# KiCad board panel_r0.1.kicad_pcb (continued)
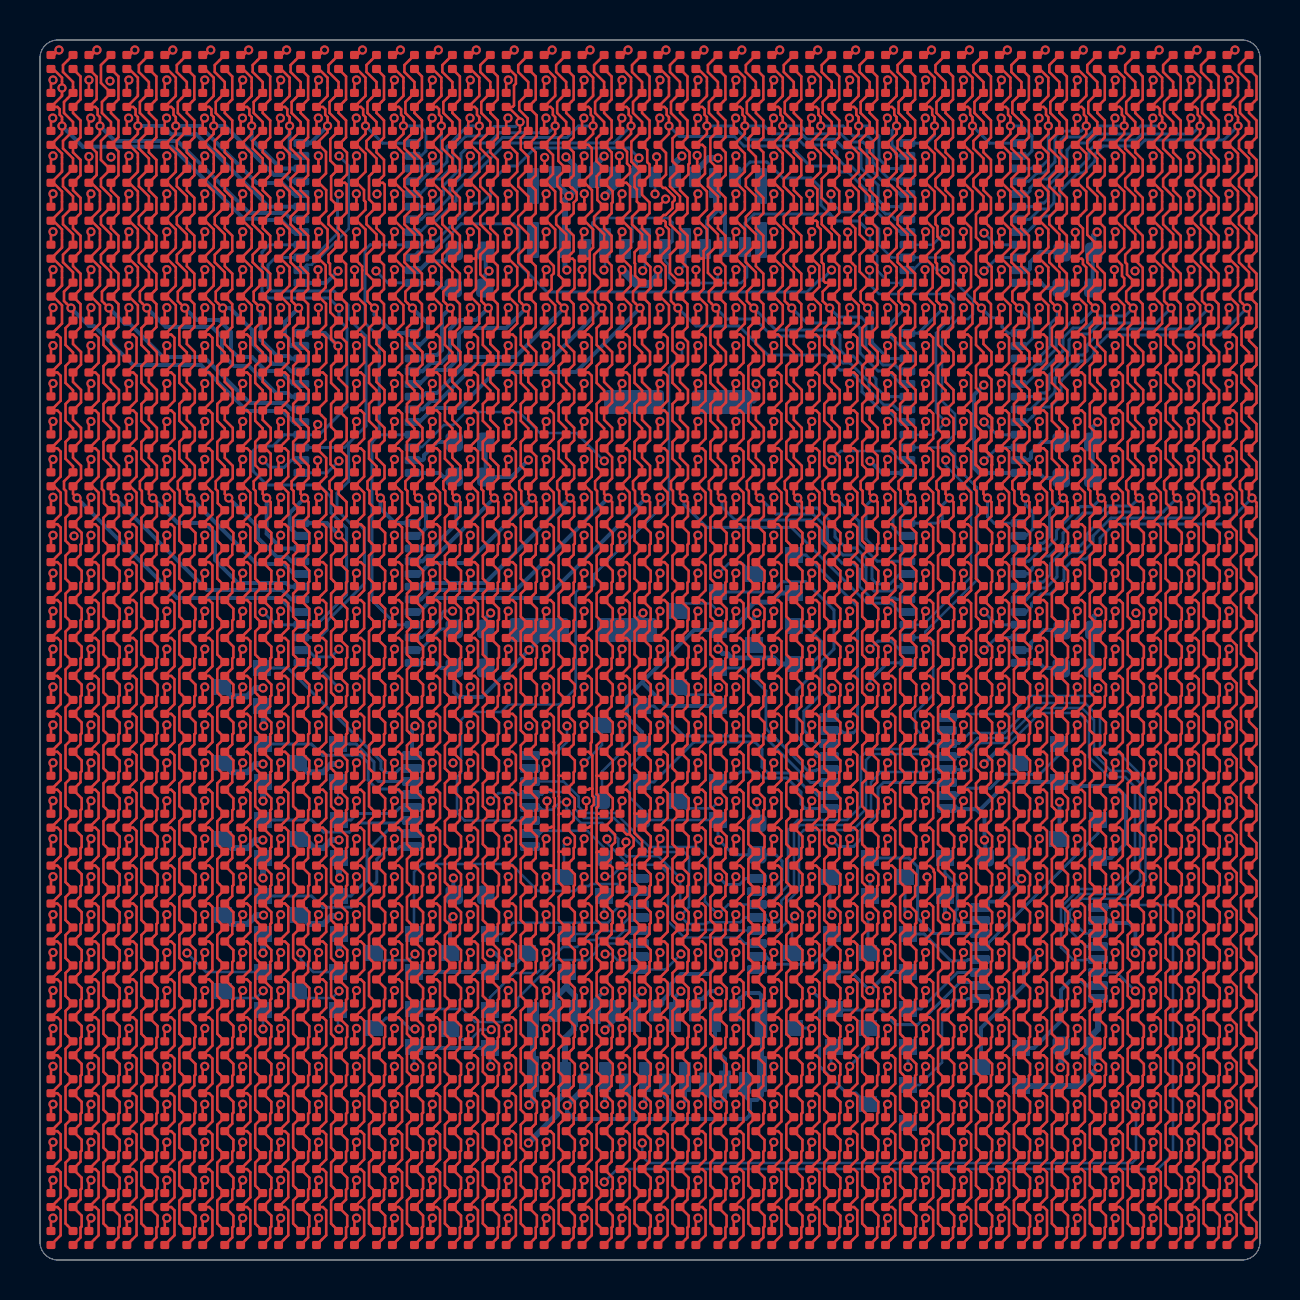
[diagram p0: board, top side]
## Routing (per net, layer and track width the routed paths; a pad name or vN(x,y) marks a point on that pad's centre or on a via; arc(x,y) is an arc through that point) (continued)
  In2.Cu w0.2: v1(48.07,30.55) 47.49,29.97 47.49,25.09 v1(47.2,24.8)
  Bottom w0.2: Q17.3 48.9,24.85 48.3,25.45 47.85,25.45 v1(47.2,24.8)
/ledArray/sheet5D7853C9/COM: length 30.8
  Top w0.127: v1(0.65,28.65) 0.55,28.55 D545.1 ; v1(2.55,28.65) 2.45,28.55 D546.1 ; v1(4.44,28.65) 4.34,28.55 D547.1 ; v1(6.34,28.65) 6.24,28.55 D548.1 ; v1(8.24,28.65) 8.14,28.55 D549.1 ; v1(10.13,28.65) 10.03,28.55 D550.1 ; v1(12.03,28.65) 11.93,28.55 D551.1 ; v1(13.93,28.65) 13.83,28.55 D552.1 ; v1(15.82,28.65) 15.72,28.55 D553.1 ; v1(17.72,28.65) 17.62,28.55 D554.1 ; v1(19.62,28.65) 19.52,28.55 D555.1 ; v1(21.51,28.65) 21.41,28.55 D556.1 ; v1(23.41,28.65) 23.31,28.55 D557.1 ; v1(25.31,28.65) 25.21,28.55 D558.1 ; v1(27.2,28.65) 27.1,28.55 D559.1 ; v1(29.1,28.65) 29,28.55 D560.1 ; v1(31,28.65) 30.9,28.55 D561.1 ; v1(32.9,28.65) 32.79,28.55 D562.1 ; v1(34.79,28.65) 34.69,28.55 D563.1 ; v1(36.69,28.65) 36.59,28.55 D564.1 ; v1(38.59,28.65) 38.48,28.55 D565.1 ; v1(40.48,28.65) 40.38,28.55 D566.1 ; v1(42.38,28.65) 42.28,28.55 D567.1 ; v1(44.28,28.65) 44.17,28.55 D568.1 ; v1(46.17,28.65) 46.07,28.55 D569.1 ; v1(48.07,28.65) 47.97,28.55 D570.1 ; v1(49.97,28.65) 49.86,28.55 D571.1 ; v1(51.86,28.65) 51.76,28.55 D572.1 ; v1(53.76,28.65) 53.66,28.55 D573.1 ; v1(55.66,28.65) 55.56,28.55 D574.1 ; v1(57.55,28.65) 57.45,28.55 D575.1 ; v1(59.45,28.65) 59.35,28.55 D576.1
  In2.Cu w0.2: v1(34.79,28.65) 35.21,28.23 35.21,24.22 v1(33.93,22.94)
  Bottom w0.127: v1(33.93,22.94) 33.57,22.58 32.27,22.58 Q18.3
/ledArray/sheet5D7853CA/COM: length 26.3
  Top w0.127: v1(0.65,26.75) 0.55,26.65 D577.1 ; v1(2.55,26.75) 2.45,26.65 D578.1 ; v1(4.44,26.75) 4.34,26.65 D579.1 ; v1(6.34,26.75) 6.24,26.65 D580.1 ; v1(8.24,26.75) 8.14,26.65 D581.1 ; v1(10.13,26.75) 10.03,26.65 D582.1 ; v1(12.03,26.75) 11.93,26.65 D583.1 ; v1(13.93,26.75) 13.83,26.65 D584.1 ; v1(15.82,26.75) 15.72,26.65 D585.1 ; v1(17.72,26.75) 17.62,26.65 D586.1 ; v1(19.62,26.75) 19.52,26.65 D587.1 ; v1(21.51,26.75) 21.41,26.65 D588.1 ; v1(23.41,26.75) 23.31,26.65 D589.1 ; v1(25.31,26.75) 25.21,26.65 D590.1 ; v1(27.2,26.75) 27.1,26.65 D591.1 ; v1(29.1,26.75) 29,26.65 D592.1 ; v1(31,26.75) 30.9,26.65 D593.1 ; v1(32.9,26.75) 32.79,26.65 D594.1 ; v1(34.79,26.75) 34.69,26.65 D595.1 ; v1(36.69,26.75) 36.59,26.65 D596.1 ; v1(38.59,26.75) 38.48,26.65 D597.1 ; v1(40.48,26.75) 40.38,26.65 D598.1 ; v1(42.38,26.75) 42.28,26.65 D599.1 ; v1(44.28,26.75) 44.17,26.65 D600.1 ; v1(46.17,26.75) 46.07,26.65 D601.1 ; v1(48.07,26.75) 47.97,26.65 D602.1 ; v1(49.97,26.75) 49.86,26.65 D603.1 ; v1(51.86,26.75) 51.76,26.65 D604.1 ; v1(53.76,26.75) 53.66,26.65 D605.1 ; v1(55.66,26.75) 55.56,26.65 D606.1 ; v1(57.55,26.75) 57.45,26.65 D607.1 ; v1(59.45,26.75) 59.35,26.65 D608.1
  Bottom w0.127: Q19.3 28.1,24.42 29.1,25.42 v1(29.1,26.75)
/ledArray/sheet5D7853CB/COM: length 24.3
  Top w0.127: v1(0.65,24.86) 0.55,24.76 D609.1 ; v1(2.55,24.86) 2.45,24.76 D610.1 ; v1(4.44,24.86) 4.34,24.76 D611.1 ; v1(6.34,24.86) 6.24,24.76 D612.1 ; v1(8.24,24.86) 8.14,24.76 D613.1 ; v1(10.13,24.86) 10.03,24.76 D614.1 ; v1(12.03,24.86) 11.93,24.76 D615.1 ; v1(13.93,24.86) 13.83,24.76 D616.1 ; v1(15.82,24.86) 15.72,24.76 D617.1 ; v1(17.72,24.86) 17.62,24.76 D618.1 ; v1(19.62,24.86) 19.52,24.76 D619.1 ; v1(21.51,24.86) 21.41,24.76 D620.1 ; v1(23.41,24.86) 23.31,24.76 D621.1 ; v1(25.31,24.86) 25.21,24.76 D622.1 ; v1(27.2,24.86) 27.1,24.76 D623.1 ; v1(29.1,24.86) 29,24.76 D624.1 ; v1(31,24.86) 30.9,24.76 D625.1 ; v1(32.9,24.86) 32.79,24.76 D626.1 ; v1(34.79,24.86) 34.69,24.76 D627.1 ; v1(36.69,24.86) 36.59,24.76 D628.1 ; v1(38.59,24.86) 38.48,24.76 D629.1 ; v1(40.48,24.86) 40.38,24.76 D630.1 ; v1(42.38,24.86) 42.28,24.76 D631.1 ; v1(44.28,24.86) 44.17,24.76 D632.1 ; v1(46.17,24.86) 46.07,24.76 D633.1 ; v1(48.07,24.86) 47.97,24.76 D634.1 ; v1(49.97,24.86) 49.86,24.76 D635.1 ; v1(51.86,24.86) 51.76,24.76 D636.1 ; v1(53.76,24.86) 53.66,24.76 D637.1 ; v1(55.66,24.86) 55.56,24.76 D638.1 ; v1(57.55,24.86) 57.45,24.76 D639.1 ; v1(59.45,24.86) 59.35,24.76 D640.1
  Bottom w0.127: Q20.3 28.1,25.75 v1(27.2,24.86)
/ledArray/sheet5D7853CC/COM: length 30.6
  Top w0.127: v1(0.65,22.96) 0.55,22.86 D641.1 ; v1(2.55,22.96) 2.45,22.86 D642.1 ; v1(4.44,22.96) 4.34,22.86 D643.1 ; v1(6.34,22.96) 6.24,22.86 D644.1 ; v1(8.24,22.96) 8.14,22.86 D645.1 ; v1(10.13,22.96) 10.03,22.86 D646.1 ; v1(12.03,22.96) 11.93,22.86 D647.1 ; v1(13.93,22.96) 13.83,22.86 D648.1 ; v1(15.82,22.96) 15.72,22.86 D649.1 ; v1(17.72,22.96) 17.62,22.86 D650.1 ; v1(19.62,22.96) 19.52,22.86 D651.1 ; v1(21.51,22.96) 21.41,22.86 D652.1 ; v1(23.41,22.96) 23.31,22.86 D653.1 ; v1(29.1,22.96) 29,22.86 D656.1 ; v1(31,22.96) 30.9,22.86 D657.1 ; v1(32.9,22.96) 32.79,22.86 D658.1 ; v1(34.79,22.96) 34.69,22.86 D659.1 ; v1(36.69,22.96) 36.59,22.86 D660.1 ; v1(38.59,22.96) 38.48,22.86 D661.1 ; v1(40.48,22.96) 40.38,22.86 D662.1 ; v1(42.38,22.96) 42.28,22.86 D663.1 ; v1(44.28,22.96) 44.17,22.86 D664.1 ; v1(46.17,22.96) 46.07,22.86 D665.1 ; v1(48.07,22.96) 47.97,22.86 D666.1 ; v1(49.97,22.96) 49.86,22.86 D667.1 ; v1(51.86,22.96) 51.76,22.86 D668.1 ; v1(53.76,22.96) 53.66,22.86 D669.1 ; v1(55.66,22.96) 55.56,22.86 D670.1 ; v1(57.55,22.96) 57.45,22.86 D671.1 ; v1(59.45,22.96) 59.35,22.86 D672.1 ; D655.1 27.31,22.52 v1(27.31,22.96) ; v1(25.35,22.95) 25.35,22.46 D654.1
  In2.Cu w0.2: v1(32.9,22.96) 33.93,24 v1(33.93,28.63)
  Bottom w0.127: Q21.3 32.28,28.27 33.57,28.27 v1(33.93,28.63)
/ledArray/sheet5D7853CD/COM: length 35.8
  Top w0.127: v1(0.65,21.06) 0.55,20.96 D673.1 ; v1(2.55,21.06) 2.45,20.96 D674.1 ; v1(4.44,21.06) 4.34,20.96 D675.1 ; v1(6.34,21.06) 6.24,20.96 D676.1 ; v1(8.24,21.06) 8.14,20.96 D677.1 ; v1(10.13,21.06) 10.03,20.96 D678.1 ; v1(12.03,21.06) 11.93,20.96 D679.1 ; v1(13.93,21.06) 13.83,20.96 D680.1 ; v1(15.82,21.06) 15.72,20.96 D681.1 ; v1(17.72,21.06) 17.62,20.96 D682.1 ; v1(19.62,21.06) 19.52,20.96 D683.1 ; v1(21.51,21.06) 21.41,20.96 D684.1 ; v1(23.41,21.06) 23.31,20.96 D685.1 ; v1(25.31,21.06) 25.21,20.96 D686.1 ; v1(27.2,21.06) 27.1,20.96 D687.1 ; v1(31,21.06) 30.9,20.96 D689.1 ; v1(32.9,21.06) 32.79,20.96 D690.1 ; v1(34.79,21.06) 34.69,20.96 D691.1 ; v1(36.69,21.06) 36.59,20.96 D692.1 ; v1(38.59,21.06) 38.48,20.96 D693.1 ; v1(40.48,21.06) 40.38,20.96 D694.1 ; v1(42.38,21.06) 42.28,20.96 D695.1 ; v1(44.28,21.06) 44.17,20.96 D696.1 ; v1(46.17,21.06) 46.07,20.96 D697.1 ; v1(48.07,21.06) 47.97,20.96 D698.1 ; v1(49.97,21.06) 49.86,20.96 D699.1 ; v1(51.86,21.06) 51.76,20.96 D700.1 ; v1(53.76,21.06) 53.66,20.96 D701.1 ; v1(55.66,21.06) 55.56,20.96 D702.1 ; v1(57.55,21.06) 57.45,20.96 D703.1 ; v1(59.45,21.06) 59.35,20.96 D704.1 ; 29,20.57 D688.1 29.3,20.72 v1(29.3,20.9)
  In2.Cu w0.2: v1(35.84,32.35) 37.11,31.08 37.11,21.48 v1(36.69,21.06)
  Bottom w0.2: v1(35.84,32.35) 35.7,32.21 Q22.3
/ledArray/sheet5D7853CE/COM: length 38.9
  Top w0.127: v1(0.65,19.17) 0.55,19.07 D705.1 ; v1(2.55,19.17) 2.45,19.07 D706.1 ; v1(4.44,19.17) 4.34,19.07 D707.1 ; v1(6.34,19.17) 6.24,19.07 D708.1 ; v1(8.24,19.17) 8.14,19.07 D709.1 ; v1(10.13,19.17) 10.03,19.07 D710.1 ; v1(12.03,19.17) 11.93,19.07 D711.1 ; v1(13.93,19.17) 13.83,19.07 D712.1 ; v1(15.82,19.17) 15.72,19.07 D713.1 ; v1(17.72,19.17) 17.62,19.07 D714.1 ; v1(19.62,19.17) 19.52,19.07 D715.1 ; v1(21.51,19.17) 21.41,19.07 D716.1 ; v1(23.41,19.17) 23.31,19.07 D717.1 ; v1(25.31,19.17) 25.21,19.07 D718.1 ; v1(27.2,19.17) 27.1,19.07 D719.1 ; v1(29.1,19.17) 29,19.07 D720.1 ; v1(31,19.17) 30.9,19.07 D721.1 ; v1(32.9,19.17) 32.79,19.07 D722.1 ; v1(34.79,19.17) 34.69,19.07 D723.1 ; v1(36.69,19.17) 36.59,19.07 D724.1 ; v1(38.59,19.17) 38.48,19.07 D725.1 ; v1(40.48,19.17) 40.38,19.07 D726.1 ; v1(42.38,19.17) 42.28,19.07 D727.1 ; v1(46.17,19.17) 46.07,19.07 D729.1 ; v1(48.07,19.17) 47.97,19.07 D730.1 ; v1(49.97,19.17) 49.86,19.07 D731.1 ; v1(51.86,19.17) 51.76,19.07 D732.1 ; v1(53.76,19.17) 53.66,19.07 D733.1 ; v1(55.66,19.17) 55.56,19.07 D734.1 ; v1(57.55,19.17) 57.45,19.07 D735.1 ; v1(59.45,19.17) 59.35,19.07 D736.1 ; v1(44.35,19.15) 44.35,18.7 D728.1
  In2.Cu w0.2: v1(33.95,32.4) 32.48,30.93 32.48,20.65 v1(31,19.17)
  Bottom w0.127: v1(33.95,32.4) 33.52,32.83 32.28,32.83 Q23.3
/ledArray/sheet5D7853CF/COM: length 43.3
  Top w0.127: v1(0.65,17.27) 0.55,17.17 D737.1 ; v1(2.55,17.27) 2.45,17.17 D738.1 ; v1(4.44,17.27) 4.34,17.17 D739.1 ; v1(6.34,17.27) 6.24,17.17 D740.1 ; v1(8.24,17.27) 8.14,17.17 D741.1 ; v1(10.13,17.27) 10.03,17.17 D742.1 ; v1(12.03,17.27) 11.93,17.17 D743.1 ; v1(13.93,17.27) 13.83,17.17 D744.1 ; v1(15.82,17.27) 15.72,17.17 D745.1 ; v1(17.72,17.27) 17.62,17.17 D746.1 ; v1(19.62,17.27) 19.52,17.17 D747.1 ; v1(21.51,17.27) 21.41,17.17 D748.1 ; v1(23.41,17.27) 23.31,17.17 D749.1 ; v1(25.31,17.27) 25.21,17.17 D750.1 ; v1(27.2,17.27) 27.1,17.17 D751.1 ; v1(31,17.27) 30.9,17.17 D753.1 ; v1(32.9,17.27) 32.79,17.17 D754.1 ; v1(34.79,17.27) 34.69,17.17 D755.1 ; v1(36.69,17.27) 36.59,17.17 D756.1 ; v1(38.59,17.27) 38.48,17.17 D757.1 ; v1(40.48,17.27) 40.38,17.17 D758.1 ; v1(42.38,17.27) 42.28,17.17 D759.1 ; v1(44.28,17.27) 44.17,17.17 D760.1 ; v1(46.17,17.27) 46.07,17.17 D761.1 ; v1(48.07,17.27) 47.97,17.17 D762.1 ; v1(49.97,17.27) 49.86,17.17 D763.1 ; v1(51.86,17.27) 51.76,17.17 D764.1 ; v1(53.76,17.27) 53.66,17.17 D765.1 ; v1(55.66,17.27) 55.56,17.17 D766.1 ; v1(57.55,17.27) 57.45,17.17 D767.1 ; v1(59.45,17.27) 59.35,17.17 D768.1 ; v1(29.09,17.28) 29.09,16.71 D752.1
  In2.Cu w0.2: v1(29.09,17.28) 29.09,18.54 31.75,21.2 31.75,32.15 v1(33.9,34.3)
  Bottom w0.127: v1(33.9,34.3) 34.43,34.83 35.12,34.83 35.65,34.3 Q24.3
/ledArray/sheet5D7955BF/COM: length 29
  Top w0.127: v1(0.65,15.37) 0.55,15.27 D769.1 ; v1(2.55,15.37) 2.45,15.27 D770.1 ; v1(4.44,15.37) 4.34,15.27 D771.1 ; v1(6.34,15.37) 6.24,15.27 D772.1 ; v1(8.24,15.37) 8.14,15.27 D773.1 ; v1(10.13,15.37) 10.03,15.27 D774.1 ; v1(12.03,15.37) 11.93,15.27 D775.1 ; v1(13.93,15.37) 13.83,15.27 D776.1 ; v1(15.82,15.37) 15.72,15.27 D777.1 ; v1(17.72,15.37) 17.62,15.27 D778.1 ; v1(19.62,15.37) 19.52,15.27 D779.1 ; v1(21.51,15.37) 21.41,15.27 D780.1 ; v1(23.41,15.37) 23.31,15.27 D781.1 ; v1(25.31,15.37) 25.21,15.27 D782.1 ; v1(27.2,15.37) 27.1,15.27 D783.1 ; v1(29.1,15.37) 29,15.27 D784.1 ; v1(31,15.37) 30.9,15.27 D785.1 ; v1(32.9,15.37) 32.79,15.27 D786.1 ; v1(34.79,15.37) 34.69,15.27 D787.1 ; v1(36.69,15.37) 36.59,15.27 D788.1 ; v1(38.59,15.37) 38.48,15.27 D789.1 ; v1(40.48,15.37) 40.38,15.27 D790.1 ; v1(42.38,15.37) 42.28,15.27 D791.1 ; v1(44.28,15.37) 44.17,15.27 D792.1 ; v1(46.17,15.37) 46.07,15.27 D793.1 ; v1(48.07,15.37) 47.97,15.27 D794.1 ; v1(49.97,15.37) 49.86,15.27 D795.1 ; v1(51.86,15.37) 51.76,15.27 D796.1 ; v1(53.76,15.37) 53.66,15.27 D797.1 ; v1(55.66,15.37) 55.56,15.27 D798.1 ; v1(57.55,15.37) 57.45,15.27 D799.1 ; v1(59.45,15.37) 59.35,15.27 D800.1
  Bottom w0.2: Q25.3 47.05,11.6 49.2,13.75 49.2,14.61 v1(49.97,15.37)
/ledArray/sheet5D7955CE/COM: length 29.2
  Top w0.127: v1(0.65,13.48) 0.55,13.38 D801.1 ; v1(2.55,13.48) 2.45,13.38 D802.1 ; v1(4.44,13.48) 4.34,13.38 D803.1 ; v1(6.34,13.48) 6.24,13.38 D804.1 ; v1(8.24,13.48) 8.14,13.38 D805.1 ; v1(10.13,13.48) 10.03,13.38 D806.1 ; v1(12.03,13.48) 11.93,13.38 D807.1 ; v1(13.93,13.48) 13.83,13.38 D808.1 ; v1(15.82,13.48) 15.72,13.38 D809.1 ; v1(17.72,13.48) 17.62,13.38 D810.1 ; v1(19.62,13.48) 19.52,13.38 D811.1 ; v1(21.51,13.48) 21.41,13.38 D812.1 ; v1(23.41,13.48) 23.31,13.38 D813.1 ; v1(25.31,13.48) 25.21,13.38 D814.1 ; v1(27.2,13.48) 27.1,13.38 D815.1 ; v1(29.1,13.48) 29,13.38 D816.1 ; v1(31,13.48) 30.9,13.38 D817.1 ; v1(32.9,13.48) 32.79,13.38 D818.1 ; v1(34.79,13.48) 34.69,13.38 D819.1 ; v1(36.69,13.48) 36.59,13.38 D820.1 ; v1(38.59,13.48) 38.48,13.38 D821.1 ; v1(40.48,13.48) 40.38,13.38 D822.1 ; v1(42.38,13.48) 42.28,13.38 D823.1 ; v1(44.28,13.48) 44.17,13.38 D824.1 ; v1(46.17,13.48) 46.07,13.38 D825.1 ; v1(48.07,13.48) 47.97,13.38 D826.1 ; v1(49.97,13.48) 49.86,13.38 D827.1 ; v1(51.86,13.48) 51.76,13.38 D828.1 ; v1(53.76,13.48) 53.66,13.38 D829.1 ; v1(55.66,13.48) 55.56,13.38 D830.1 ; v1(57.55,13.48) 57.45,13.38 D831.1 ; v1(59.45,13.48) 59.35,13.38 D832.1
  Bottom w0.15: Q26.3 41.35,7.8 40.8,8.35 40.32,8.35 38.98,9.69 38.98,13.08 v1(38.59,13.48)
/ledArray/sheet5D7955E0/COM: length 23
  Top w0.127: v1(0.65,11.58) 0.55,11.48 D833.1 ; v1(2.55,11.58) 2.45,11.48 D834.1 ; v1(4.44,11.58) 4.34,11.48 D835.1 ; v1(6.34,11.58) 6.24,11.48 D836.1 ; v1(8.24,11.58) 8.14,11.48 D837.1 ; v1(10.13,11.58) 10.03,11.48 D838.1 ; v1(12.03,11.58) 11.93,11.48 D839.1 ; v1(13.93,11.58) 13.83,11.48 D840.1 ; v1(15.82,11.58) 15.72,11.48 D841.1 ; v1(17.72,11.58) 17.62,11.48 D842.1 ; v1(19.62,11.58) 19.52,11.48 D843.1 ; v1(21.51,11.58) 21.41,11.48 D844.1 ; v1(23.41,11.58) 23.31,11.48 D845.1 ; v1(25.31,11.58) 25.21,11.48 D846.1 ; v1(27.2,11.58) 27.1,11.48 D847.1 ; v1(29.1,11.58) 29,11.48 D848.1 ; v1(31,11.58) 30.9,11.48 D849.1 ; v1(32.9,11.58) 32.79,11.48 D850.1 ; v1(34.79,11.58) 34.69,11.48 D851.1 ; v1(36.69,11.58) 36.59,11.48 D852.1 ; v1(38.59,11.58) 38.48,11.48 D853.1 ; v1(40.48,11.58) 40.38,11.48 D854.1 ; v1(42.38,11.58) 42.28,11.48 D855.1 ; v1(44.28,11.58) 44.17,11.48 D856.1 ; v1(46.17,11.58) 46.07,11.48 D857.1 ; v1(48.07,11.58) 47.97,11.48 D858.1 ; v1(49.97,11.58) 49.86,11.48 D859.1 ; v1(51.86,11.58) 51.76,11.48 D860.1 ; v1(53.76,11.58) 53.66,11.48 D861.1 ; v1(55.66,11.58) 55.56,11.48 D862.1 ; v1(57.55,11.58) 57.45,11.48 D863.1 ; v1(59.45,11.58) 59.35,11.48 D864.1
  Bottom w0.15: v1(38.59,11.58) 38.57,11.6 Q27.3
/ledArray/sheet5D7955F1/COM: length 24.4
  Top w0.127: v1(0.65,9.68) 0.55,9.58 D865.1 ; v1(2.55,9.68) 2.45,9.58 D866.1 ; v1(4.44,9.68) 4.34,9.58 D867.1 ; v1(6.34,9.68) 6.24,9.58 D868.1 ; v1(8.24,9.68) 8.14,9.58 D869.1 ; v1(10.13,9.68) 10.03,9.58 D870.1 ; v1(12.03,9.68) 11.93,9.58 D871.1 ; v1(13.93,9.68) 13.83,9.58 D872.1 ; v1(15.82,9.68) 15.72,9.58 D873.1 ; v1(17.72,9.68) 17.62,9.58 D874.1 ; v1(19.62,9.68) 19.52,9.58 D875.1 ; v1(21.51,9.68) 21.41,9.58 D876.1 ; v1(23.41,9.68) 23.31,9.58 D877.1 ; v1(25.31,9.68) 25.21,9.58 D878.1 ; v1(27.2,9.68) 27.1,9.58 D879.1 ; v1(29.1,9.68) 29,9.58 D880.1 ; v1(31,9.68) 30.9,9.58 D881.1 ; v1(32.9,9.68) 32.79,9.58 D882.1 ; v1(34.79,9.68) 34.69,9.58 D883.1 ; v1(36.69,9.68) 36.59,9.58 D884.1 ; v1(38.59,9.68) 38.48,9.58 D885.1 ; v1(40.48,9.68) 40.38,9.58 D886.1 ; v1(42.38,9.68) 42.28,9.58 D887.1 ; v1(44.28,9.68) 44.17,9.58 D888.1 ; v1(46.17,9.68) 46.07,9.58 D889.1 ; v1(48.07,9.68) 47.97,9.58 D890.1 ; v1(49.97,9.68) 49.86,9.58 D891.1 ; v1(51.86,9.68) 51.76,9.58 D892.1 ; v1(53.76,9.68) 53.66,9.58 D893.1 ; v1(55.66,9.68) 55.56,9.58 D894.1 ; v1(57.55,9.68) 57.45,9.58 D895.1 ; v1(59.45,9.68) 59.35,9.58 D896.1
  Bottom w0.15: Q28.3 41.4,10.6 v1(40.48,9.68)
/ledArray/sheet5D73722B/COM: length 53.1
  Top w0.127: v1(0.65,49.52) 0.55,49.41 D193.1 ; v1(2.55,49.52) 2.45,49.41 D194.1 ; v1(4.44,49.52) 4.34,49.41 D195.1 ; v1(6.34,49.52) 6.24,49.41 D196.1 ; v1(8.24,49.52) 8.14,49.41 D197.1 ; v1(10.13,49.52) 10.03,49.41 D198.1 ; v1(12.03,49.52) 11.93,49.41 D199.1 ; v1(17.72,49.52) 17.62,49.41 D202.1 ; v1(19.62,49.52) 19.52,49.41 D203.1 ; v1(23.41,49.52) 23.31,49.41 D205.1 ; v1(25.31,49.52) 25.21,49.41 D206.1 ; v1(29.1,49.52) 29,49.41 D208.1 ; v1(34.79,49.52) 34.69,49.41 D211.1 ; v1(36.69,49.52) 36.59,49.41 D212.1 ; v1(38.59,49.52) 38.48,49.41 D213.1 ; v1(42.38,49.52) 42.28,49.41 D215.1 ; v1(48.07,49.52) 47.97,49.41 D218.1 ; v1(49.97,49.52) 49.86,49.41 D219.1 ; v1(51.86,49.52) 51.76,49.41 D220.1 ; v1(55.66,49.52) 55.56,49.41 D222.1 ; v1(57.55,49.52) 57.45,49.41 D223.1 ; v1(59.45,49.52) 59.35,49.41 D224.1 ; v1(30.9,49.52) 30.9,48.87 D209.1 ; D221.1 53.72,48.93 v1(53.72,49.52) ; v1(13.9,49.52) 13.9,48.94 D200.1 ; D216.1 44.25,48.95 v1(44.25,49.52) ; D201.1 15.73,48.87 v1(15.73,49.51) ; D204.1 21.42,48.87 v1(21.42,49.51) ; v1(27.11,49.52) 27.11,48.87 D207.1 ; v1(46.17,49.52) 46.17,48.96 D217.1 ; v1(32.8,49.51) 32.8,48.87 D210.1 ; D214.1 40.38,48.87 v1(40.38,49.52)
  In2.Cu w0.2: v1(13.9,49.52) 13.4,49.01 13.4,39.55 13.85,39.1 14.5,39.1 14.88,38.72 14.88,37.12 14.35,36.6 14.35,25.4 v1(14.95,24.8)
  Bottom w0.3: Q7.3 12.95,24.85 13.41,24.39 14.15,24.39 14.56,24.8 v1(14.95,24.8)
  Bottom w0.4: v1(30.9,49.52) 30.9,49.19 30.51,48.8 29.82,48.8 v1(29.1,49.52)
/ledArray/sheet5D73723C/COM: length 43.9
  Top w0.127: v1(0.65,47.62) 0.55,47.52 D225.1 ; v1(2.55,47.62) 2.45,47.52 D226.1 ; v1(4.44,47.62) 4.34,47.52 D227.1 ; v1(6.34,47.62) 6.24,47.52 D228.1 ; v1(8.24,47.62) 8.14,47.52 D229.1 ; v1(10.13,47.62) 10.03,47.52 D230.1 ; v1(12.03,47.62) 11.93,47.52 D231.1 ; v1(15.82,47.62) 15.72,47.52 D233.1 ; v1(17.72,47.62) 17.62,47.52 D234.1 ; v1(19.62,47.62) 19.52,47.52 D235.1 ; v1(21.51,47.62) 21.41,47.52 D236.1 ; v1(23.41,47.62) 23.31,47.52 D237.1 ; v1(25.31,47.62) 25.21,47.52 D238.1 ; v1(27.2,47.62) 27.1,47.52 D239.1 ; v1(29.1,47.62) 29,47.52 D240.1 ; v1(31,47.62) 30.9,47.52 D241.1 ; v1(32.9,47.62) 32.79,47.52 D242.1 ; v1(34.79,47.62) 34.69,47.52 D243.1 ; v1(36.69,47.62) 36.59,47.52 D244.1 ; v1(38.59,47.62) 38.48,47.52 D245.1 ; v1(40.48,47.62) 40.38,47.52 D246.1 ; v1(42.38,47.62) 42.28,47.52 D247.1 ; v1(44.28,47.62) 44.17,47.52 D248.1 ; v1(46.17,47.62) 46.07,47.52 D249.1 ; v1(48.07,47.62) 47.97,47.52 D250.1 ; v1(49.97,47.62) 49.86,47.52 D251.1 ; v1(51.86,47.62) 51.76,47.52 D252.1 ; v1(53.76,47.62) 53.66,47.52 D253.1 ; v1(55.66,47.62) 55.56,47.52 D254.1 ; v1(57.55,47.62) 57.45,47.52 D255.1 ; v1(59.45,47.62) 59.35,47.52 D256.1 ; v1(13.92,47.62) 13.92,47.06 D232.1
  In2.Cu w0.2: v1(10.13,47.62) 10.13,46.67 10.55,46.25 10.55,32.38 11.15,31.78 v1(11.15,28.6)
  Bottom w0.3: v1(11.15,28.6) 10.78,28.6 10.36,28.18 9.57,28.18 Q8.3
/ledArray/sheet5D737207/COM: length 58.8
  Top w0.127: v1(0.65,53.31) 0.55,53.21 D129.1 ; v1(2.55,53.31) 2.45,53.21 D130.1 ; v1(4.44,53.31) 4.34,53.21 D131.1 ; v1(6.34,53.31) 6.24,53.21 D132.1 ; v1(8.24,53.31) 8.14,53.21 D133.1 ; v1(10.13,53.31) 10.03,53.21 D134.1 ; v1(12.03,53.31) 11.93,53.21 D135.1 ; v1(13.93,53.31) 13.83,53.21 D136.1 ; v1(17.72,53.31) 17.62,53.21 D138.1 ; v1(19.62,53.31) 19.52,53.21 D139.1 ; v1(21.51,53.31) 21.41,53.21 D140.1 ; v1(23.41,53.31) 23.31,53.21 D141.1 ; v1(25.31,53.31) 25.21,53.21 D142.1 ; v1(29.1,53.31) 29,53.21 D144.1 ; v1(32.9,53.31) 32.79,53.21 D146.1 ; v1(34.79,53.31) 34.69,53.21 D147.1 ; v1(36.69,53.31) 36.59,53.21 D148.1 ; v1(40.48,53.31) 40.38,53.21 D150.1 ; v1(42.38,53.31) 42.28,53.21 D151.1 ; v1(44.28,53.31) 44.17,53.21 D152.1 ; v1(46.17,53.31) 46.07,53.21 D153.1 ; v1(48.07,53.31) 47.97,53.21 D154.1 ; v1(49.97,53.31) 49.86,53.21 D155.1 ; v1(51.86,53.31) 51.76,53.21 D156.1 ; v1(53.76,53.31) 53.66,53.21 D157.1 ; v1(55.66,53.31) 55.56,53.21 D158.1 ; v1(57.55,53.31) 57.45,53.21 D159.1 ; v1(59.45,53.31) 59.35,53.21 D160.1 ; D137.1 15.82,52.76 v1(15.82,53.31) ; D143.1 27.21,52.77 v1(27.21,53.31) ; v1(38.49,53.31) 38.49,52.66 D149.1 ; D145.1 v1(31.28,53.05)
  In2.Cu w0.2: v1(12.03,53.31) 12.45,52.89 12.45,46.9 13.05,46.3 13.05,39.35 13.75,38.65 14.25,38.65 14.45,38.45 14.45,37.5 13.51,36.56 13.51,22.44 v1(14.95,21)
  Bottom w0.3: Q5.3 13.25,21.05 13.7,20.6 14.17,20.6 14.57,21 v1(14.95,21)
/ledArray/sheet5D737218/COM: length 52.1
  Top w0.127: v1(0.65,51.41) 0.55,51.31 D161.1 ; v1(2.55,51.41) 2.45,51.31 D162.1 ; v1(4.44,51.41) 4.34,51.31 D163.1 ; v1(6.34,51.41) 6.24,51.31 D164.1 ; v1(8.24,51.41) 8.14,51.31 D165.1 ; v1(10.13,51.41) 10.03,51.31 D166.1 ; v1(12.03,51.41) 11.93,51.31 D167.1 ; v1(13.93,51.41) 13.83,51.31 D168.1 ; v1(15.82,51.41) 15.72,51.31 D169.1 ; v1(17.72,51.41) 17.62,51.31 D170.1 ; v1(19.62,51.41) 19.52,51.31 D171.1 ; v1(21.51,51.41) 21.41,51.31 D172.1 ; v1(23.41,51.41) 23.31,51.31 D173.1 ; v1(25.31,51.41) 25.21,51.31 D174.1 ; v1(27.2,51.41) 27.1,51.31 D175.1 ; v1(29.1,51.41) 29,51.31 D176.1 ; v1(31,51.41) 30.9,51.31 D177.1 ; v1(32.9,51.41) 32.79,51.31 D178.1 ; v1(34.79,51.41) 34.69,51.31 D179.1 ; v1(36.69,51.41) 36.59,51.31 D180.1 ; v1(38.59,51.41) 38.48,51.31 D181.1 ; v1(42.38,51.41) 42.28,51.31 D183.1 ; v1(44.28,51.41) 44.17,51.31 D184.1 ; v1(48.07,51.41) 47.97,51.31 D186.1 ; v1(49.97,51.41) 49.86,51.31 D187.1 ; v1(53.76,51.41) 53.66,51.31 D189.1 ; v1(55.66,51.41) 55.56,51.31 D190.1 ; v1(57.55,51.41) 57.45,51.31 D191.1 ; v1(59.45,51.41) 59.35,51.31 D192.1 ; v1(40.38,51.39) 40.38,50.77 D182.1 ; v1(46.17,51.41) 46.17,50.86 D185.1 ; D188.1 51.76,50.77 v1(51.76,51.39)
  In2.Cu w0.2: v1(11.15,24.8) 10.7,25.25 10.7,31 8.8,32.9 8.8,47.32 8.66,47.46 8.66,50.99 v1(8.24,51.41)
  Bottom w0.3: Q6.3 9.61,24.39 10.36,24.39 10.77,24.8 v1(11.15,24.8)
/ledArray/sheet5D795602/COM: length 33.8
  Top w0.127: v1(0.65,7.79) 0.55,7.69 D897.1 ; v1(2.55,7.79) 2.45,7.69 D898.1 ; v1(4.44,7.79) 4.34,7.69 D899.1 ; v1(6.34,7.79) 6.24,7.69 D900.1 ; v1(8.24,7.79) 8.14,7.69 D901.1 ; v1(10.13,7.79) 10.03,7.69 D902.1 ; v1(12.03,7.79) 11.93,7.69 D903.1 ; v1(13.93,7.79) 13.83,7.69 D904.1 ; v1(15.82,7.79) 15.72,7.69 D905.1 ; v1(17.72,7.79) 17.62,7.69 D906.1 ; v1(19.62,7.79) 19.52,7.69 D907.1 ; v1(21.51,7.79) 21.41,7.69 D908.1 ; v1(23.41,7.79) 23.31,7.69 D909.1 ; v1(25.31,7.79) 25.21,7.69 D910.1 ; v1(27.2,7.79) 27.1,7.69 D911.1 ; v1(29.1,7.79) 29,7.69 D912.1 ; v1(31,7.79) 30.9,7.69 D913.1 ; v1(32.9,7.79) 32.79,7.69 D914.1 ; v1(34.79,7.79) 34.69,7.69 D915.1 ; v1(36.69,7.79) 36.59,7.69 D916.1 ; v1(38.59,7.79) 38.48,7.69 D917.1 ; v1(40.48,7.79) 40.38,7.69 D918.1 ; v1(42.38,7.79) 42.28,7.69 D919.1 ; v1(44.28,7.79) 44.17,7.69 D920.1 ; v1(46.17,7.79) 46.07,7.69 D921.1 ; v1(48.07,7.79) 47.97,7.69 D922.1 ; v1(49.97,7.79) 49.86,7.69 D923.1 ; v1(51.86,7.79) 51.76,7.69 D924.1 ; v1(53.76,7.79) 53.66,7.69 D925.1 ; v1(55.66,7.79) 55.56,7.69 D926.1 ; v1(57.55,7.79) 57.45,7.69 D927.1 ; v1(59.45,7.79) 59.35,7.69 D928.1
  In2.Cu w0.15: v1(41.49,17.2) 41.49,14.05 40.88,13.44 40.88,8.18 v1(40.48,7.79)
  Bottom w0.15: v1(41.49,17.2) 41.4,17.11 Q29.3
/ledArray/sheet5D795612/COM: length 41.4
  Top w0.127: v1(0.65,5.89) 0.55,5.79 D929.1 ; v1(2.55,5.89) 2.45,5.79 D930.1 ; v1(4.44,5.89) 4.34,5.79 D931.1 ; v1(6.34,5.89) 6.24,5.79 D932.1 ; v1(8.24,5.89) 8.14,5.79 D933.1 ; v1(10.13,5.89) 10.03,5.79 D934.1 ; v1(12.03,5.89) 11.93,5.79 D935.1 ; v1(13.93,5.89) 13.83,5.79 D936.1 ; v1(15.82,5.89) 15.72,5.79 D937.1 ; v1(17.72,5.89) 17.62,5.79 D938.1 ; v1(19.62,5.89) 19.52,5.79 D939.1 ; v1(21.51,5.89) 21.41,5.79 D940.1 ; v1(23.41,5.89) 23.31,5.79 D941.1 ; v1(25.31,5.89) 25.21,5.79 D942.1 ; v1(27.2,5.89) 27.1,5.79 D943.1 ; v1(29.1,5.89) 29,5.79 D944.1 ; v1(31,5.89) 30.9,5.79 D945.1 ; v1(32.9,5.89) 32.79,5.79 D946.1 ; v1(34.79,5.89) 34.69,5.79 D947.1 ; v1(36.69,5.89) 36.59,5.79 D948.1 ; v1(38.59,5.89) 38.48,5.79 D949.1 ; v1(40.48,5.89) 40.38,5.79 D950.1 ; v1(42.38,5.89) 42.28,5.79 D951.1 ; v1(44.28,5.89) 44.17,5.79 D952.1 ; v1(46.17,5.89) 46.07,5.79 D953.1 ; v1(48.07,5.89) 47.97,5.79 D954.1 ; v1(49.97,5.89) 49.86,5.79 D955.1 ; v1(51.86,5.89) 51.76,5.79 D956.1 ; v1(53.76,5.89) 53.66,5.79 D957.1 ; v1(55.66,5.89) 55.56,5.79 D958.1 ; v1(57.55,5.89) 57.45,5.79 D959.1 ; v1(59.45,5.89) 59.35,5.79 D960.1
  In2.Cu w0.2: v1(49.97,5.89) 50.39,6.31 50.39,22.31 v1(50.98,22.9)
  Bottom w0.2: v1(50.98,22.9) 50.98,21.13 Q30.3
/ledArray/sheet5D795624/COM: length 37.7
  Top w0.127: v1(0.65,3.99) 0.55,3.89 D961.1 ; v1(2.55,3.99) 2.45,3.89 D962.1 ; v1(4.44,3.99) 4.34,3.89 D963.1 ; v1(6.34,3.99) 6.24,3.89 D964.1 ; v1(8.24,3.99) 8.14,3.89 D965.1 ; v1(10.13,3.99) 10.03,3.89 D966.1 ; v1(12.03,3.99) 11.93,3.89 D967.1 ; v1(13.93,3.99) 13.83,3.89 D968.1 ; v1(15.82,3.99) 15.72,3.89 D969.1 ; v1(17.72,3.99) 17.62,3.89 D970.1 ; v1(19.62,3.99) 19.52,3.89 D971.1 ; v1(21.51,3.99) 21.41,3.89 D972.1 ; v1(23.41,3.99) 23.31,3.89 D973.1 ; v1(25.31,3.99) 25.21,3.89 D974.1 ; v1(27.2,3.99) 27.1,3.89 D975.1 ; v1(29.1,3.99) 29,3.89 D976.1 ; v1(31,3.99) 30.9,3.89 D977.1 ; v1(32.9,3.99) 32.79,3.89 D978.1 ; v1(34.79,3.99) 34.69,3.89 D979.1 ; v1(36.69,3.99) 36.59,3.89 D980.1 ; v1(38.59,3.99) 38.48,3.89 D981.1 ; v1(40.48,3.99) 40.38,3.89 D982.1 ; v1(42.38,3.99) 42.28,3.89 D983.1 ; v1(44.28,3.99) 44.17,3.89 D984.1 ; v1(46.17,3.99) 46.07,3.89 D985.1 ; v1(48.07,3.99) 47.97,3.89 D986.1 ; v1(49.97,3.99) 49.86,3.89 D987.1 ; v1(51.86,3.99) 51.76,3.89 D988.1 ; v1(53.76,3.99) 53.66,3.89 D989.1 ; v1(55.66,3.99) 55.56,3.89 D990.1 ; v1(57.55,3.99) 57.45,3.89 D991.1 ; v1(59.45,3.99) 59.35,3.89 D992.1
  In2.Cu w0.15: v1(39.6,17.25) 39.05,16.7 39.05,4.46 v1(38.59,3.99)
  Bottom w0.15: v1(39.6,17.25) 39.5,17.35 Q31.3
/ledArray/sheet5D795634/COM: length 39.9
  Top w0.127: v1(0.65,2.1) 0.55,2 D993.1 ; v1(2.55,2.1) 2.45,2 D994.1 ; v1(4.44,2.1) 4.34,2 D995.1 ; v1(6.34,2.1) 6.24,2 D996.1 ; v1(8.24,2.1) 8.14,2 D997.1 ; v1(10.13,2.1) 10.03,2 D998.1 ; v1(12.03,2.1) 11.93,2 D999.1 ; v1(13.93,2.1) 13.83,2 D1000.1 ; v1(15.82,2.1) 15.72,2 D1001.1 ; v1(17.72,2.1) 17.62,2 D1002.1 ; v1(19.62,2.1) 19.52,2 D1003.1 ; v1(21.51,2.1) 21.41,2 D1004.1 ; v1(23.41,2.1) 23.31,2 D1005.1 ; v1(25.31,2.1) 25.21,2 D1006.1 ; v1(27.2,2.1) 27.1,2 D1007.1 ; v1(29.1,2.1) 29,2 D1008.1 ; v1(31,2.1) 30.9,2 D1009.1 ; v1(32.9,2.1) 32.79,2 D1010.1 ; v1(34.79,2.1) 34.69,2 D1011.1 ; v1(36.69,2.1) 36.59,2 D1012.1 ; v1(38.59,2.1) 38.48,2 D1013.1 ; v1(40.48,2.1) 40.38,2 D1014.1 ; v1(42.38,2.1) 42.28,2 D1015.1 ; v1(44.28,2.1) 44.17,2 D1016.1 ; v1(46.17,2.1) 46.07,2 D1017.1 ; v1(48.07,2.1) 47.97,2 D1018.1 ; v1(49.97,2.1) 49.86,2 D1019.1 ; v1(51.86,2.1) 51.76,2 D1020.1 ; v1(53.76,2.1) 53.66,2 D1021.1 ; v1(55.66,2.1) 55.56,2 D1022.1 ; v1(57.55,2.1) 57.45,2 D1023.1 ; v1(59.45,2.1) 59.35,2 D1024.1
  In2.Cu w0.2: v1(44.28,2.1) 42.98,3.39 42.98,16.83 v1(43.4,17.25)
  Bottom w0.15: Q32.3 43.25,17.4 v1(43.4,17.25)
